# KiCad board All_Bloks_of_project.kicad_pcb (continued)
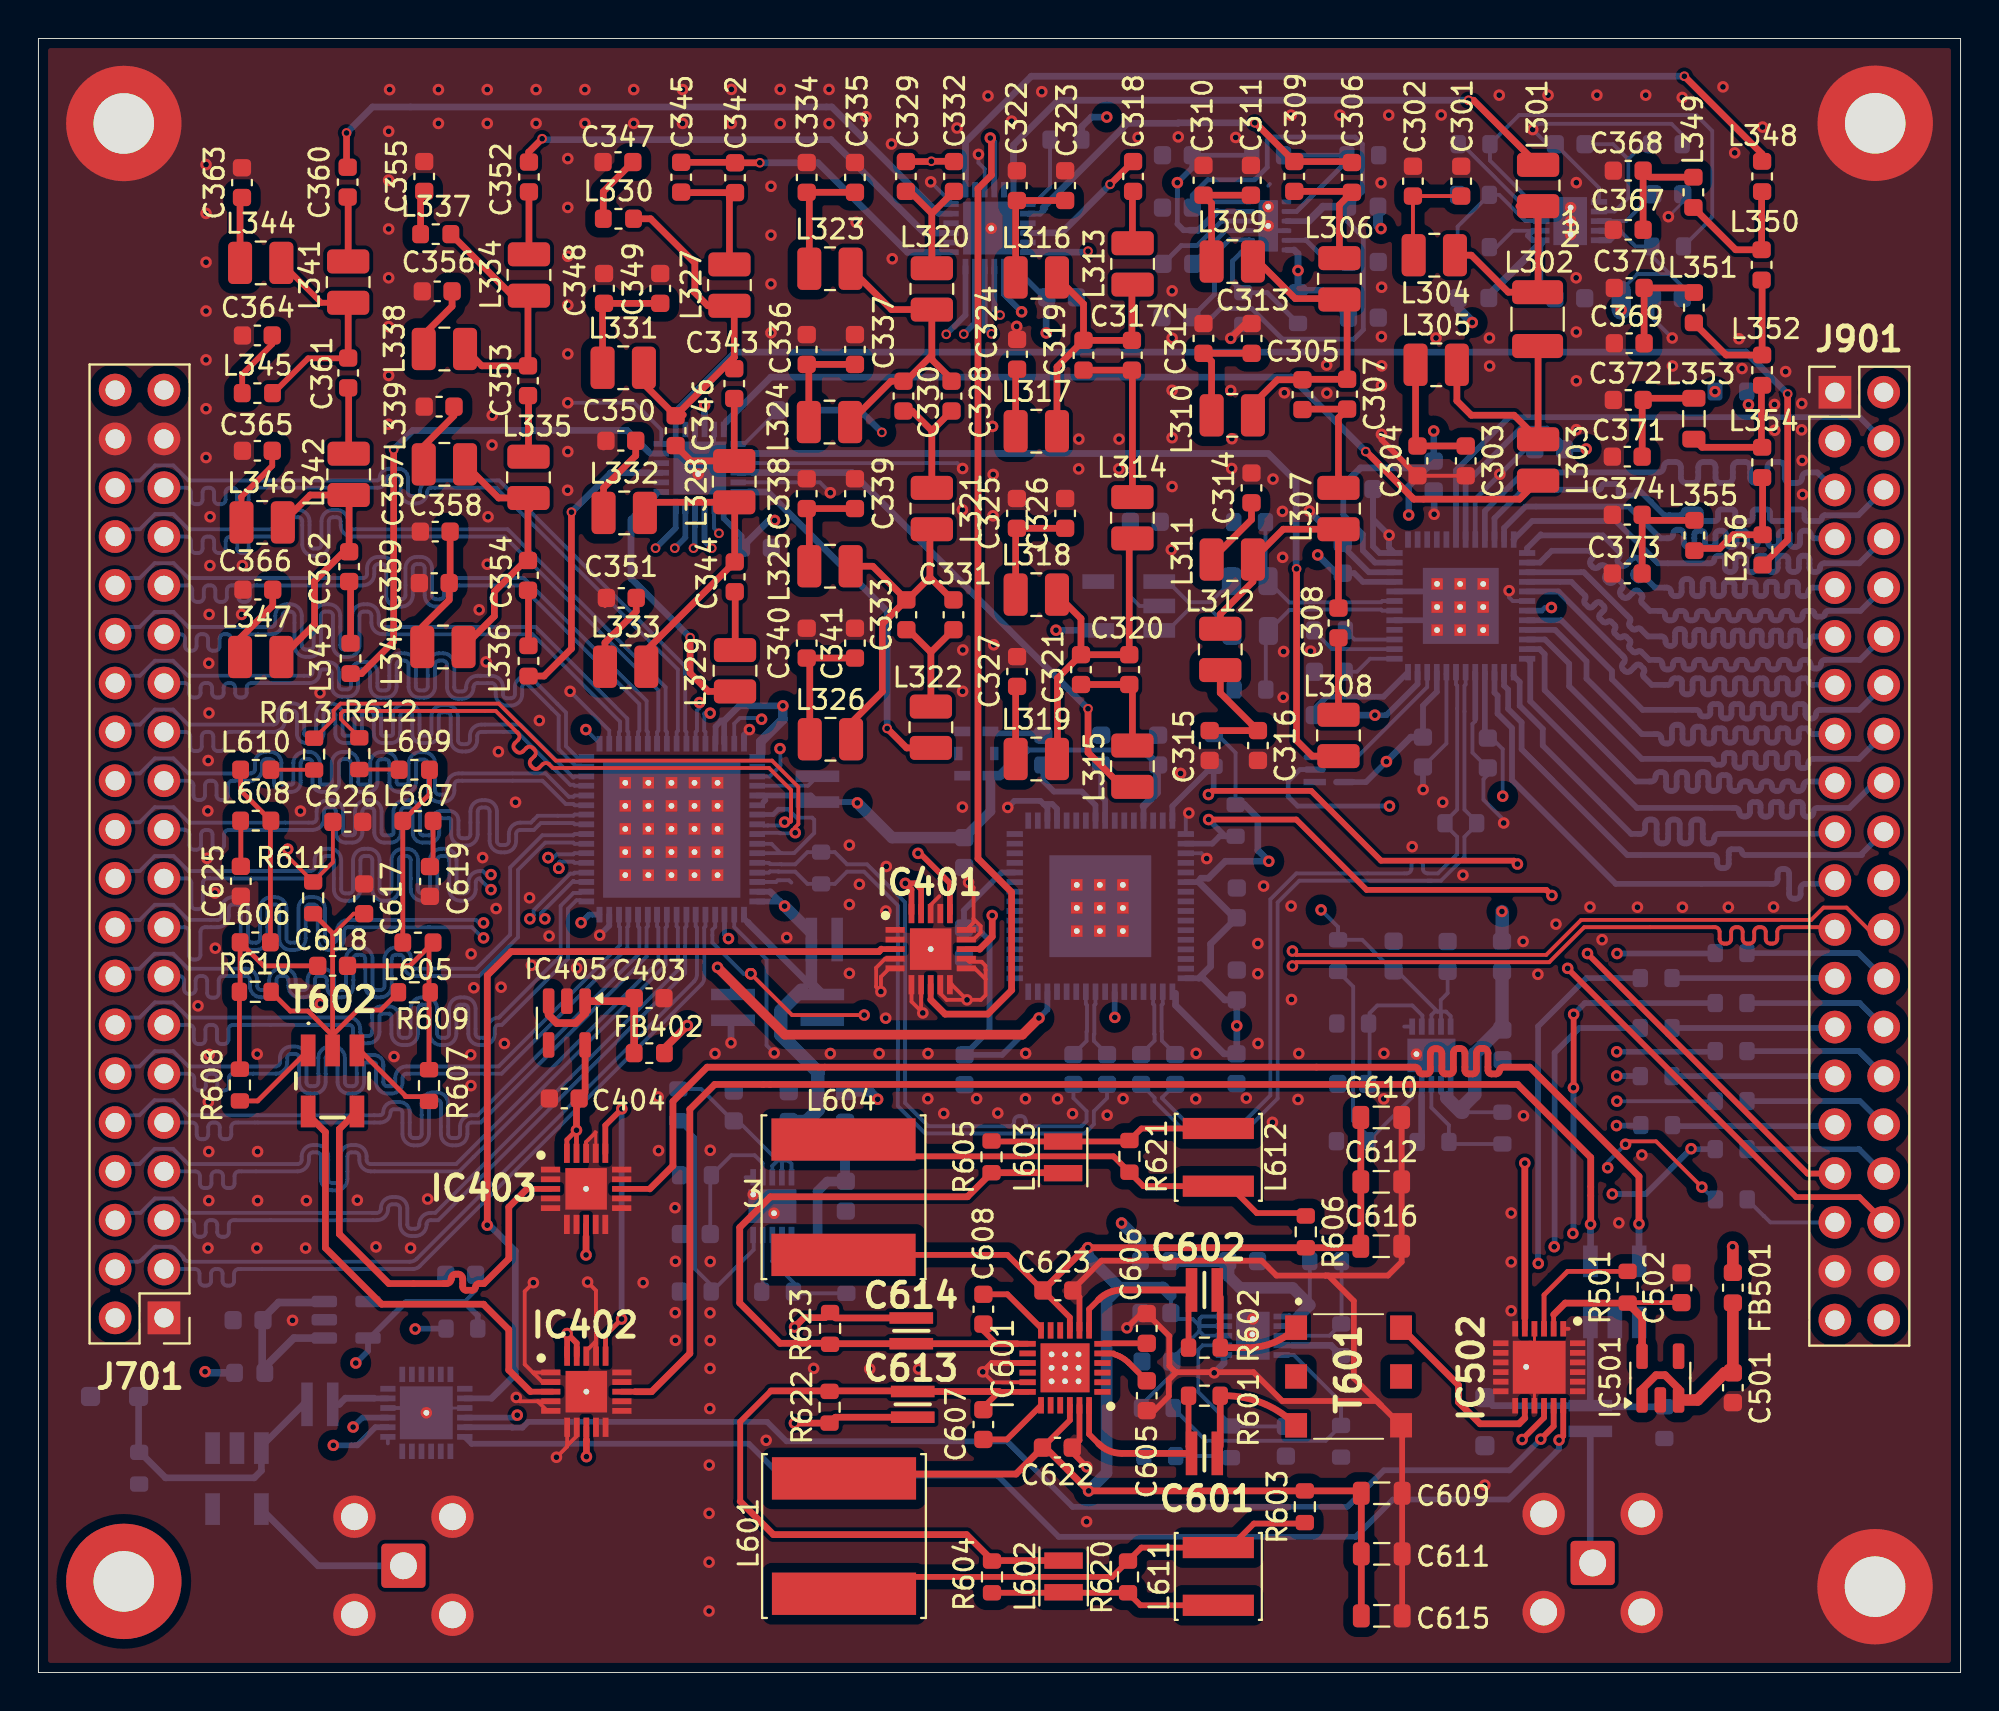
[diagram p0: board, top side]
## Routing (per net, layer and track width the routed paths; a pad name or vN(x,y) marks a point on that pad's centre or on a via; arc(x,y) is an arc through that point) (continued)
/DAC_3_N: length 3.6
  Bottom w0.2: C820.1 59.14,32.17 58.45,32.87 58.45,33.34 58.43,33.35 58.43,34.72 58.49,34.78 IC801.34
/DAC_3_P: length 3.6
  Bottom w0.2: C819.1 57.37,32.17 58.07,32.87 58.07,33.19 58.05,33.21 58.05,34.72 57.99,34.78 IC801.35
/DAC_CLK_N: length 39.7
  Bottom w0.2: C820.2 58.45,29.9 58.45,29.88 59.95,28.38 62.45,28.38 64.09,30.02 64.09,40.22 65.44,41.57 71.19,41.57 arc(71.36,41.64) 71.43,41.81 71.43,41.97 arc(71.5,42.14) 71.67,42.21 71.79,42.21 arc(71.96,42.14) 72.03,41.97 72.03,41.81 arc(72.1,41.64) 72.27,41.57 72.81,41.57 73.81,42.57 73.81,43.47 73.17,44.1 R919.2 73.17,44.25 73.81,44.89 73.81,50.14 73.81,50.14 73.81,51.34 73.75,51.4 IC901.7
/DAC_CLK_P: length 40.4
  Bottom w0.2: C819.2 58.07,29.9 58.07,29.72 59.79,28 62.61,28 64.47,29.86 64.47,40.06 65.6,41.19 72.51,41.19 ; 72.27,41.19 72.97,41.19 74.19,42.41 74.19,43.47 74.83,44.1 R919.1 74.83,44.25 74.19,44.89 74.19,49.99 74.19,49.99 74.19,51.34 74.25,51.4 IC901.6
/DAC_OUT_N: length 10.2
  Bottom w0.2: IC901.18 69.91,55.24 69.85,55.3 65.96,55.3 65.94,55.27 65.08,55.27 C916.1 63.86,54.04 R903.2
/DAC_OUT_P: length 10.2
  Bottom w0.2: IC901.19 69.91,55.74 69.85,55.68 65.81,55.68 65.79,55.65 65.08,55.65 C917.1 63.83,56.9 R904.1
/DAC_T_N: length 4.7
  Bottom w0.2: T901.1 58.76,54.21 59.84,55.29 60.02,55.29 60.02,55.29 60.98,55.29 C916.2
/DAC_T_P: length 4.7
  Bottom w0.2: C917.2 60.98,55.67 59.88,55.67 59.87,55.67 59.84,55.67 58.76,56.75 T901.3
/DITH: length 61
  Top w0.2: v1(37.06,36.35) 39.21,34.2 v1(42.96,34.2) ; v1(82.57,27.48) 82.72,27.63 84.16,27.63 v1(86.54,25.25)
  In2.Cu w0.2: v1(42.96,34.2) 51.4,25.76 81.14,25.76 v1(81.64,26.26)
  Bottom w0.2: v1(82.57,27.48) 81.64,26.55 v1(81.64,26.26) ; v1(86.54,25.25) 87.18,24.61 R921.1 ; IC701.20 35.21,38.79 35.06,38.64 35.06,37.97 36.68,36.35 v1(37.06,36.35)
/DSA_DATA: length 93.4
  Top w0.3: IC502.18 79.33,12.31 v1(79.11,12.09) ; v1(79.86,30.42) 79.87,30.43 v1(79.87,34.24)
  In2.Cu w0.22: v1(79.83,22.84) 79.83,12.81
  In2.Cu w0.3: 79.83,12.81 v1(79.11,12.09)
  Bottom w0.3: IC104.18 22.54,11.9 36.96,11.9 38.62,10.24 49.9,10.24 53.08,7.06 68.53,7.06 70.47,9 76.48,9 79.11,11.63 v1(79.11,12.09) ; v1(79.87,34.24) 80.45,34.82 R911.2 ; v1(79.86,30.42) 79.86,22.87 v1(79.83,22.84)
/DSA_LE1: length 95.6
  In2.Cu w0.22: v1(82.13,37.4) 82.75,37.4 84.08,36.07 84.08,15.5 79.99,11.41 33.52,11.41 30.81,8.7 28.37,8.7 26.05,11.02 26.04,11.02 26.01,11.05 26.01,12.29 v1(24.91,13.39)
  Bottom w0.3: v1(82.13,37.4) 87.21,37.4 R913.2 ; v1(24.91,13.39) 24.78,13.26 IC104.16
/DSA_LE2: length 30.4
  Top w0.3: v1(77.19,12.12) 78.33,13.26 IC502.16
  In2.Cu w0.22: v1(78.03,21.28) 78.03,12.96
  In2.Cu w0.3: 78.03,12.96 v1(77.19,12.12)
  Bottom w0.3: R912.1 80.54,36.12 78.02,33.61 78.02,21.29 v1(78.03,21.28)
/DSA_SCLK: length 86.8
  Top w0.3: IC502.17 78.83,12.81 v1(78.16,12.14)
  In2.Cu w0.22: v1(78.86,22.15) 78.86,12.84
  In2.Cu w0.3: 78.86,12.84 v1(78.16,12.14)
  Bottom w0.3: IC104.17 24.62,12.76 24.64,12.74 25.18,12.74 25.48,13.04 37.91,13.04 38.92,12.03 50.39,12.03 53.8,8.62 68.1,8.62 70,10.52 76.54,10.52 v1(78.16,12.14) ; R910.1 80.17,33.52 78.88,32.24 78.88,22.17 v1(78.86,22.15)
/FLT_V1: length 91.1
  In2.Cu w0.22: v1(82.11,32.29) 80.22,32.29 79.35,33.16 79.35,33.9 54.77,58.48 v2(35.03,58.48) 34.66,58.86 34.66,59.96 40.61,65.92 47.03,65.92 50.23,69.12 50.23,70.41 v2(50.03,70.61)
  Bottom w0.2: 87.2,32.29 R914.2
  Bottom w0.3: v2(50.03,70.61) 49.73,70.91 IC201.9 ; v1(82.11,32.29) 87.2,32.29 ; v2(35.03,58.48) 34.66,58.86 IC202.9
/FLT_V2: length 89.2
  In2.Cu w0.22: v1(82.11,31.03) 79.67,31.03 78.59,32.11 78.59,33.41 54.42,57.58 34.68,57.58 34.08,58.18 v2(34.08,58.48) 34.08,61.23 40.24,67.39 47.33,67.39 v2(49.58,69.63)
  Bottom w0.2: 34.15,58.55 v2(34.08,58.48) ; 34.16,59.58 34.15,59.58 ; 83.33,31.03 R918.1
  Bottom w0.28: 34.15,59.58 34.15,58.55
  Bottom w0.3: IC202.10 34.16,59.58 ; v2(49.58,69.63) 49.23,69.98 IC201.10 ; v1(82.11,31.03) 83.33,31.03
/FLT_V3: length 95.8
  In2.Cu w0.22: v1(82.12,29.72) 78.77,29.72 77.7,30.79 77.7,33.08 54.09,56.69 34.22,56.69 33.11,57.8 v2(33.11,58.48) 33.11,62.23 34.55,63.68 34.87,63.68 40.06,68.87 47.39,68.87 v2(48.14,69.62)
  Bottom w0.2: R915.2 87.23,29.72 v1(82.12,29.72)
  Bottom w0.3: v2(48.14,69.62) 48.73,70.21 IC201.11 ; v2(33.11,58.48) 33.66,59.03 IC202.11
/FLT_V4: length 94.8
  In2.Cu w0.22: v2(47.23,69.61) 46.65,70.19 39.9,70.19 32.11,62.39 v2(32.11,58.48) 32.11,57.32 33.59,55.84 53.64,55.84 76.64,32.84 76.64,30.48 78.67,28.45 v1(82.1,28.45)
  Bottom w0.2: 83.34,28.45 R917.1
  Bottom w0.3: IC202.12 33.16,59.53 v2(32.11,58.48) ; IC201.12 48.23,70.61 v2(47.23,69.61) ; v1(82.1,28.45) 83.34,28.45
/I2C_SCL: length 51.5
  Top w0.3: v1(79.56,36.63) 79.56,36.62 91.45,24.73 94.74,24.73 96,23.47 J901.36 ; v1(60.87,45.67) 61.06,45.86 66.22,45.86 69.85,42.23 76.77,42.23 v1(76.95,42.05)
  In2.Cu w0.22: v1(76.95,42.05) 77.57,41.43 77.57,38.73 79.56,36.74 v1(79.56,36.63)
  Bottom w0.3: v1(60.87,45.67) 61.14,45.94 R801.1 61.07,47.14 58.99,45.07 IC801.16 59,44.32
/I2C_SDA: length 45.4
  Top w0.3: J901.33 92.03,25.96 v1(80.59,37.4) ; v1(60.88,44.37) 65.44,44.37 69.1,40.71 78.45,40.71 v1(78.74,40.42)
  In2.Cu w0.22: v1(80.59,37.4) 80.59,38.53 78.74,40.38 v1(78.74,40.42)
  Bottom w0.3: IC801.18 61.07,43.12 61.45,43.5 R802.1 61.75,43.5 v1(60.88,44.37)
/MASTER_LPF_IN: length 47.4
  Top w0.35: v2(85.63,83.03) 89.68,78.99 L348.1
  Bottom w0.3: IC201.19 48.23,77.69
  Bottom w0.35: 48.23,77.69 48.23,79.61 51.66,83.03 v2(85.63,83.03)
/MASTER_LPF_OUT: length 69.9
  Top w0.35: L356.2 91.01,58.91 v2(91.01,66.51)
  Bottom w0.3: 33.15,65.46 33.15,65.02
  Bottom w0.35: v2(91.01,66.51) 88.83,68.68 36.26,68.68 33.16,65.58
/RAND: length 97.7
  In2.Cu w0.2: v1(37.62,49.59) 37.56,49.65 35.82,49.65 35.01,48.84 34.34,48.84 29.86,53.32 29.86,64.83 43.87,78.84 45.32,78.84 49.31,82.83 70.29,82.83 79.97,73.15 82.13,73.15 84.15,71.13 84.15,67.66 85.18,66.63 v1(87.23,66.63)
  Bottom w0.2: v1(37.62,49.59) 37.56,49.65 36.49,49.65 36.2,49.36 IC701.63
/RF_F1_S1: length 10.6
  Top w0.35: 77.02,76.28 L301.2 78.02,71.83 L302.1 76.47,71.8 74.55,73.73 L304.2
/RF_F1_S2: length 11.8
  Top w0.35: L305.2 73.8,66.15 74.55,65.4 76.77,65.4 L303.1 78.02,68.98 L302.2
/RF_F2_S1: length 6.6
  Top w0.35: L306.1 67.69,76.35 C306.2 ; C309.2 68.29,77.05
/RF_F2_S2: length 16.9
  Top w0.35: 68.09,71.2 67.76,71.52 ; 63.19,66.15 L310.2 63.19,65.97 64.46,67.25 C305.1 65.79,67.27 C307.1 68.09,71.02 L306.2 67.64,71.47 65.39,71.47 63.46,73.4 L309.2
/RF_F2_S3: length 6.6
  Top w0.35: C305.2 65.79,65.72 C307.2 67.64,65.27 L307.1
/RF_F2_S4: length 13.6
  Top w0.35: L311.2 63.19,56.75 61.49,55.05 L312.2 ; L311.2 63.24,57.85 ; L311.2 64.76,59.47 L307.2 C308.1
/RF_F2_S5: length 4
  Top w0.35: L308.1 C308.2
/RF_F3_S1: length 2.7
  Top w0.35: L313.1 56.92,74.36 56.92,77.01 C318.2
/RF_F3_S2: length 14.6
  Top w0.35: L317.2 52.99,67.91 C319.1 ; L316.2 54.37,71.19 C319.1 ; C319.1 C317.1 56.89,72.16 L313.2
/RF_F3_S3: length 9.1
  Top w0.35: C319.2 C317.2 56.92,67.72 L314.1
/RF_F3_S4: length 18.2
  Top w0.35: L318.2 54.24,54.82 C321.1 ; C321.1 53.02,51.72 53.02,47.54 L319.2 ; C321.1 C320.1 56.75,58.83 L314.2
/RF_F3_S5: length 5.8
  Top w0.35: C321.2 C320.2 56.92,51.23 L315.1
/RF_F4_S1: length 6.3
  Top w0.35: L320.1 46.48,75.9 ; 46.48,75.9 45.33,77.05 C329.2 ; 46.48,75.9 C332.2
/RF_F4_S2: length 15
  Top w0.35: 46.48,68.52 45.13,67.17 C330.1 44.35,67.17 L324.2 ; 46.48,68.52 L320.2 44.38,70.9 L323.2 ; 46.48,68.52 46.48,68.35 46.45,68.32 47.5,67.27 C328.1
/RF_F4_S3: length 6.3
  Top w0.35: 46.48,64.6 45.45,65.62 C330.2 ; 46.48,64.6 C328.2 ; 46.48,64.6 L321.1
/RF_F4_S4: length 18
  Top w0.35: 46.38,56.97 47.55,55.8 C331.1 ; 46.38,56.97 45.2,55.8 C333.1 ; 46.38,56.97 46.38,59.37 L321.2 ; C333.1 43.4,57.55 L325.2 ; C333.1 43.93,54.57 43.9,54.57 43.9,51.02 42.28,49.4 L326.2
/RF_F4_S5: length 6.2
  Top w0.35: 46.43,53.07 45.25,54.25 C333.2 ; 46.43,53.07 C331.2 ; 46.43,53.07 L322.1
/RF_F5_S1: length 6.7
  Top w0.35: L327.1 35.95,76.69 C342.2 33.46,76.98 C345.2
/RF_F5_S2: length 18.8
  Top w0.35: L331.2 31.5,67.02 C346.1 36.19,68.41 36.2,68.41 ; L330.2 31.85,75.62 34.15,73.32 34.15,71.87 34.1,71.82 34.82,71.1 L327.2 36.2,70.85 36.2,68.42 35.77,68 ; 33.55,65.42 33.5,65.37
/RF_F5_S3: length 6.6
  Top w0.35: C343.2 L328.1 33.95,63.02 C346.2
/RF_F5_S4: length 15.3
  Top w0.35: L332.2 32.1,60.87 L328.2 36.22,60.85 C344.1 31.62,53.17 L333.2
/RF_F5_S5: length 3.1
  Top w0.35: L329.1 36.25,53.19 36.25,56.2 C344.2
/RF_F6_S1: length 3.2
  Top w0.35: L334.1 C352.2
/RF_F6_S2: length 12.7
  Top w0.35: L338.2 23.07,67.97 C353.1 25.47,71.57 L334.2 24.66,71.62 L337.2
/RF_F6_S3: length 3.2
  Top w0.35: C353.2 25.49,66.4 L335.1
/RF_F6_S4: length 13.4
  Top w0.35: L340.2 23.72,54.95 23.72,56.22 25.34,57.85 C354.1 25.47,61.07 L335.2 23.94,61.1 L339.2 ; 25.59,60.55 25.52,60.62
/RF_F6_S5: length 2.9
  Top w0.35: L336.1 25.49,56.27 C354.2
/RF_F7_S1: length 3.3
  Top w0.35: L341.1 16.11,76.73
/RF_F7_S2: length 11.9
  Top w0.3: L345.2 12.22,66.55 14.03,68.36 16.1,68.36 ; L344.2 14.71,71.25 L341.2
  Top w0.35: C361.1 L341.2
/RF_F7_S3: length 3.4
  Top w0.35: L342.1 16.14,66.8
/RF_F7_S4: length 13.8
  Top w0.35: L346.2 14.14,61.25 L342.2 ; C362.1 16.16,61.23 ; L347.2 12.66,52.83 14.36,54.53 14.36,56.78 15.89,58.3
/RF_F7_S5: length 3.1
  Top w0.35: L343.1 16.24,56.68
/RF_FILTR_IN_1: length 32
  Top w0.35: L301.1 74.66,81.78 v2(74.41,81.78)
  Bottom w0.3: IC201.24 50.73,77.69
  Bottom w0.35: v2(74.41,81.78) 53.05,81.78 50.73,79.46 50.73,77.69
/RF_FILTR_IN_2: length 19.8
  Top w0.35: 68.29,78.6 C309.1 63.32,80.61 v2(63.28,80.61)
  Bottom w0.3: 52.39,76.17 52.11,75.88 IC201.2
  Bottom w0.35: 52.27,76.05 52.27,76.2 56.66,80.58 59.28,80.58 59.3,80.61 v2(63.28,80.61)
/RF_FILTR_IN_3: length 7
  Top w0.2: v2(55.76,77.41) 55.76,77.41
  Top w0.35: 55.76,77.41 C318.1
  Bottom w0.3: 52.05,74.89 52.05,74.88 IC201.4
  Bottom w0.35: v2(55.76,77.41) 53.23,74.89 52.05,74.89
/RF_FILTR_IN_4: length 15.7
  Top w0.35: C332.1 47.62,78.61 v2(46.45,78.61) 46.44,78.6 C329.1
  In2.Cu w0.22: v2(54.61,73.93) 54.58,73.93 53.95,74.56 51,74.56 46.95,78.61 v2(46.45,78.61)
  Bottom w0.3: IC201.6 52.04,73.88
  Bottom w0.35: 52.04,73.88 54.55,73.88 v2(54.61,73.93)
/RF_FILTR_IN_5: length 16
  Top w0.2: 36.24,78.53 C342.1
  Top w0.35: C345.1 36.21,78.56 C342.1 ; v2(37.53,78.53) 36.24,78.53
  Bottom w0.3: IC201.13 46.92,73.88 46.91,73.88
  Bottom w0.35: 46.91,73.88 45.21,73.88 40.55,78.53 v2(37.53,78.53)
/RF_FILTR_IN_6: length 24.8
  Top w0.2: 25.51,78.59 C352.1
  Top w0.35: v2(26.2,79.78) 25.51,79.08 25.51,78.59
  Bottom w0.3: IC201.15 46.92,74.88 46.91,74.88
  Bottom w0.35: v2(26.2,79.78) 26.26,79.73 41.23,79.73 46.08,74.88 46.91,74.88
/RF_FILTR_IN_7: length 36.1
  Top w0.2: 16.03,78.36 C360.1
  Top w0.35: v2(16.03,80.08) 16.03,78.36
  Bottom w0.3: 46.78,75.93 46.83,75.88 IC201.17
  Bottom w0.35: v2(16.03,80.08) 17.38,81.43 41.28,81.43 46.78,75.93
/RF_FILTR_OUT_1: length 46.7
  Top w0.35: v2(69.05,63.51) 69.08,63.51 71.55,61.03 77.05,61.03 L303.2
  Bottom w0.3: 35.81,65.07 35.66,64.91 IC202.24
  Bottom w0.35: v2(69.05,63.51) 65.18,67.38 38.11,67.38 35.81,65.09 35.81,65.07
/RF_FILTR_OUT_2: length 45.6
  Top w0.35: v2(65.45,57.41) 65.45,48.48 66.27,47.67 L308.2
  Bottom w0.3: IC202.2 37.09,63.41
  Bottom w0.35: v2(65.45,57.41) 65.43,57.43 65.43,61.96 63.98,63.41 37.09,63.41
/RF_FILTR_OUT_3: length 28.6
  Top w0.35: v2(54.61,50.13) 54.61,47.86 56.39,46.07 L315.2
  Bottom w0.3: IC202.4 37.16,62.41
  Bottom w0.35: v2(54.61,50.13) 42.32,62.42 37.17,62.42 37.16,62.41
/RF_FILTR_OUT_4: length 19.1
  Top w0.35: L322.2 45.17,48.1 v2(44.16,49.11)
  Bottom w0.3: IC202.6 36.95,61.41
  Bottom w0.35: v2(44.16,49.11) 44.16,55.2 37.95,61.41 36.95,61.41
/RF_FILTR_OUT_5: length 14.2
  Top w0.35: v2(33.91,53.83) 33.91,51.98 34.86,51.03 L329.2
  Bottom w0.3: 32.09,61.24 32.26,61.41 IC202.13
  Bottom w0.35: 32.09,61.24 30.83,59.98 30.83,56.91 v2(33.91,53.83)
/RF_FILTR_OUT_6: length 15.5
  Top w0.35: v2(27.73,60.36) 27.73,53.26 26.3,51.83 L336.2
  Bottom w0.3: 32.44,62.41 31.72,62.41
  Bottom w0.35: v2(27.73,60.36) 29.78,62.41 31.76,62.41
/RF_FILTR_OUT_7: length 27.7
  Top w0.35: v2(18.48,63.61) 18.48,53.63 16.81,51.96 L343.2
  Bottom w0.3: IC202.17 31.82,63.41 31.71,63.52
  Bottom w0.35: 31.71,63.52 30.62,64.61 19.48,64.61 v2(18.48,63.61)
/RF_M_S1: length 7.5
  Top w0.35: L348.2 89.65,77.01 L350.1 88.3,74.01 L349.1
/RF_M_S2: length 8.2
  Top w0.35: L350.2 89.68,72.41 L352.1 87.8,68.53 L351.1
/RF_M_S3: length 7
  Top w0.35: L353.1 86.55,63.73 L354.1 ; 89.64,63.71 89.64,66.93
/RF_M_S4: length 6.9
  Top w0.35: L354.2 89.7,62.13 L356.1 88.17,59.18 87.46,58.47 86.26,58.47 L355.1
/RF_TX_OUT: length 7.1
  Bottom w0.35: C913.2 80.74,5.47
/RF_TX_T1: length 13.9
  Bottom w0.35: C913.1 80.74,18.21 T902.1 ; C913.1 80.8,13.82 R902.1 ; C913.1 75.66,13.89 TVS901.2
/RX_ATT_IN: length 3
  Bottom w0.3: 17.46,14.27 17.47,14.26 IC104.5
  Bottom w0.35: 17.46,14.27 15.97,14.27 15.65,13.95 C101.2
/RX_LNA_IN_N: length 7.3
  Top w0.2: 61.48,19.53 arc(61.44,19.73) C602.1
  Top w0.35: 61.48,19.53 R602.1 62.92,16.9 arc(64.28,17.17) T601.1
/RX_LNA_IN_P: length 7.8
  Top w0.2: 61.33,14.03 arc(61.37,14.23) R601.1 ; 61.48,11.77 arc(61.44,11.57) C601.1
  Top w0.35: 61.48,11.77 R601.1 61.71,14.4 arc(63.72,14) T601.3
/RX_LNA_OUT_N: length 39.1
  Top w0.2: 53.29,26 L603.1 ; 51.45,17.1 IC601.13
  Top w0.3: 41.14,17.12 R623.2 ; 49.84,17.1 49.16,17.78 C608.2 ; 50.91,17.1 51.45,17.1
  Top w0.35: R623.2 41.22,17.1 C614.1 50.91,17.1 ; 53.29,26 R605.1 48.34,24.75 38.09,24.75 36.49,23.15 36.49,19.22 38.59,17.12 41.14,17.12
/RX_LNA_OUT_P: length 39.2
  Top w0.2: 45.46,14.65 C613.1 ; 50.01,14.6 49.99,14.62
  Top w0.3: 49.99,14.62 49.16,13.79 C607.2 ; 49.64,5.82 R604.1 49.61,5.85 ; 41.14,14.65 R622.2 ; 38.11,14.65 36.51,13.05 36.51,8.9 ; IC601.18 50.01,14.6
  Top w0.35: C613.1 49.99,14.62 ; 45.46,14.65 41.19,14.65 R622.2 ; L602.2 49.64,5.82 ; 36.51,8.9 38.23,7.17 48.29,7.17 49.61,5.85 ; 38.11,14.65 41.14,14.65
/RX_T: length 8.6
  Bottom w0.35: J101.1 14.55,5.55 T101.6
/RX_T_OUT: length 14.5
  Bottom w0.35: C101.1 13.79,13.95 11.69,11.85 11.69,11.76 T101.1 11.6,10.5 11.23,10.13 6.61,10.13 5.29,11.45 5.24,11.45 5.21,11.48 TVS101.2
/RX_TX_MODE: length 146.5
  Top w0.25: v1(45.76,42.61) 45.87,42.61 ; IC402.16 29.51,17.55 v1(30.34,18.39)
  Top w0.3: v1(30.35,29.32) 29.49,28.46 IC403.16 ; IC401.16 47.42,41.06 45.87,42.61
  In2.Cu w0.22: v1(70.29,45.07) 70.29,45.04 72.48,42.85 79.02,42.85 82.26,39.61 82.26,39.59 84.99,36.86 84.99,28.03 85.77,27.25 v1(85.98,27.25) ; v1(30.34,18.39) 32.25,16.48 50.52,16.48 58.93,24.89 v1(81.88,24.89)
  In2.Cu w0.25: v1(45.76,42.61) 45.72,42.57 43.06,42.57 39.4,38.91 36.63,38.91 v1(35.9,38.18) 36.5,38.18 37.71,36.97 37.71,32.66 36.62,31.57 32.6,31.57 v1(30.35,29.32)
  Bottom w0.25: 86.01,27.22 v1(85.98,27.25) ; v1(70.29,45.07) 65.51,45.07 65.02,45.56 65.02,46.36 65.63,46.97 U902.2 ; v1(35.9,38.18) 35.69,38.39 IC701.19 ; v1(30.35,29.32) 30.34,29.31
  Bottom w0.3: 30.34,29.31 v1(30.34,18.39) ; v1(81.88,24.89) 83.62,24.89 v1(85.98,27.25) ; R916.2 86.01,27.22
/TX_D0: length 27.9
  Bottom w0.3: J901.20 94.86,42.6 94.86,42.52 88.78,42.52 arc(88.67,42.57) 88.63,42.67 arc(88.59,42.78) 88.48,42.82 88.09,42.82 arc(87.98,42.78) 87.94,42.67 87.94,42.08 arc(87.87,41.91) 87.7,41.84 87.58,41.84 arc(87.41,41.91) 87.34,42.08 87.34,42.28 arc(87.27,42.45) 87.1,42.52 82.66,42.52 77.16,48.02 77.16,49.42 76.46,50.12 76.46,51.12 76.25,51.34 IC901.2 76.25,51.62
/TX_D1: length 27.6
  Bottom w0.3: J901.19 93.35,43.62 87.43,43.62 arc(87.26,43.55) 87.19,43.38 87.19,43.37 arc(87.12,43.2) 86.95,43.13 86.83,43.13 arc(86.66,43.2) 86.59,43.37 86.59,44.13 arc(86.52,44.3) 86.35,44.37 86.23,44.37 arc(86.06,44.3) 85.99,44.13 85.99,43.37 arc(85.92,43.2) 85.75,43.13 85.63,43.13 arc(85.46,43.2) 85.39,43.37 85.39,44.13 arc(85.32,44.3) 85.15,44.37 85.03,44.37 arc(84.86,44.3) 84.79,44.13 84.79,43.37 arc(84.72,43.2) 84.55,43.13 84.43,43.13 arc(84.26,43.2) 84.19,43.37 84.19,44.13 arc(84.12,44.3) 83.95,44.37 83.83,44.37 arc(83.66,44.3) 83.59,44.13 83.59,43.86 arc(83.52,43.7) 83.35,43.62 82.86,43.62 78.26,48.22 78.26,49.09 77.06,50.29 77.06,51.52 76.75,51.84 76.75,52.02
/TX_D2: length 27.6
  Bottom w0.3: IC901.48 77.61,52.57 77.61,50.52 83.16,44.97 88.27,44.97 arc(88.43,44.91) 88.49,44.75 88.49,44.75 arc(88.56,44.6) 88.71,44.53 88.82,44.53 arc(88.98,44.6) 89.04,44.75 89.04,45.12 arc(89.09,45.23) 89.19,45.27 89.44,45.27 arc(89.55,45.23) 89.59,45.12 89.59,44.74 arc(89.66,44.59) 89.81,44.52 89.92,44.52 arc(90.08,44.59) 90.14,44.74 90.14,45.12 arc(90.19,45.23) 90.29,45.27 90.54,45.27 arc(90.65,45.23) 90.69,45.12 90.69,44.74 arc(90.76,44.59) 90.91,44.52 91.02,44.52 arc(91.18,44.59) 91.24,44.74 91.24,45.12 arc(91.29,45.23) 91.39,45.27 91.64,45.27 arc(91.75,45.23) 91.79,45.12 91.79,44.74 arc(91.86,44.58) 92.01,44.52 92.12,44.52 arc(92.28,44.58) 92.34,44.74 92.34,44.75 arc(92.41,44.91) 92.56,44.97 94.21,44.97 95.51,46.28 J901.18
/TX_D3: length 27.5
  Bottom w0.3: IC901.47 78.1,53.24 78.36,52.97 78.36,51.1 83.11,46.35 83.91,46.35 arc(84.07,46.41) 84.13,46.57 84.13,46.61 arc(84.19,46.77) 84.35,46.83 84.46,46.83 arc(84.62,46.77) 84.68,46.61 84.68,46.09 arc(84.74,45.93) 84.9,45.87 85.01,45.87 arc(85.17,45.93) 85.23,46.09 85.23,46.61 arc(85.29,46.77) 85.45,46.83 85.56,46.83 arc(85.72,46.77) 85.78,46.61 85.78,46.09 arc(85.84,45.93) 86,45.87 86.11,45.87 arc(86.27,45.93) 86.33,46.09 86.33,46.61 arc(86.39,46.77) 86.55,46.83 86.66,46.83 arc(86.82,46.77) 86.88,46.61 86.88,46.09 arc(86.94,45.93) 87.1,45.87 87.21,45.87 arc(87.37,45.93) 87.43,46.09 87.43,46.51 arc(87.48,46.63) 87.59,46.68 87.82,46.68 arc(87.93,46.63) 87.98,46.51 87.98,46.09 arc(88.04,45.93) 88.2,45.87 88.31,45.87 arc(88.47,45.93) 88.53,46.09 88.53,46.13 arc(88.59,46.29) 88.75,46.35 88.86,46.35 arc(89.02,46.29) 89.08,46.13 89.08,46.09 arc(89.14,45.93) 89.3,45.87 89.41,45.87 arc(89.57,45.93) 89.63,46.09 89.63,46.13 arc(89.69,46.29) 89.85,46.35 89.96,46.35 arc(90.12,46.29) 90.18,46.13 90.18,46.09 arc(90.24,45.93) 90.4,45.87 90.51,45.87 arc(90.67,45.93) 90.73,46.09 90.73,46.13 arc(90.79,46.29) 90.95,46.35 91.06,46.35 arc(91.22,46.29) 91.28,46.13 91.28,46.09 arc(91.34,45.93) 91.5,45.87 91.61,45.87 arc(91.77,45.93) 91.83,46.09 91.83,46.13 arc(91.89,46.29) 92.05,46.35 93.39,46.35 J901.17
/TX_D4: length 27.5
  Bottom w0.3: J901.16 94.71,47.52 92.31,47.52 arc(92.15,47.46) 92.09,47.3 92.09,47.27 arc(92.02,47.11) 91.87,47.05 91.76,47.05 arc(91.6,47.11) 91.54,47.27 91.54,47.67 arc(91.49,47.78) 91.39,47.82 91.14,47.82 arc(91.03,47.78) 90.99,47.67 90.99,47.27 arc(90.92,47.12) 90.77,47.05 90.66,47.05 arc(90.5,47.12) 90.44,47.27 90.44,47.67 arc(90.39,47.78) 90.29,47.82 90.04,47.82 arc(89.93,47.78) 89.89,47.67 89.89,47.28 arc(89.82,47.12) 89.67,47.06 89.56,47.06 arc(89.4,47.12) 89.34,47.28 89.34,47.67 arc(89.29,47.78) 89.19,47.82 88.94,47.82 arc(88.83,47.78) 88.79,47.67 88.79,47.29 arc(88.72,47.13) 88.57,47.07 88.46,47.07 arc(88.3,47.13) 88.24,47.29 88.24,47.67 arc(88.19,47.78) 88.09,47.82 87.84,47.82 arc(87.73,47.78) 87.69,47.67 87.69,47.37 arc(87.64,47.27) 87.54,47.22 87.29,47.22 arc(87.18,47.27) 87.14,47.37 arc(87.09,47.48) 86.99,47.52 83.41,47.52 79.64,51.3 79.64,52.47 78.38,53.74 IC901.46
/TX_D5: length 27.5
  Bottom w0.3: IC901.45 78.9,54.24 80.54,52.6 80.54,51.7 83.42,48.82 84.21,48.82 arc(84.37,48.75) 84.43,48.6 84.43,48.55 arc(84.5,48.39) 84.65,48.33 84.76,48.33 arc(84.92,48.39) 84.98,48.55 84.98,49.08 arc(85.05,49.24) 85.2,49.3 85.31,49.3 arc(85.47,49.24) 85.53,49.08 85.53,48.55 arc(85.6,48.39) 85.75,48.33 85.86,48.33 arc(86.02,48.39) 86.08,48.55 86.08,49.01 arc(86.14,49.14) 86.28,49.2 86.44,49.2 arc(86.58,49.14) 86.63,49.01 86.63,48.55 arc(86.7,48.39) 86.85,48.33 86.96,48.33 arc(87.12,48.39) 87.18,48.55 87.18,48.97 arc(87.23,49.07) 87.33,49.12 87.58,49.12 arc(87.69,49.07) 87.73,48.97 87.73,48.59 arc(87.8,48.44) 87.95,48.37 88.06,48.37 arc(88.22,48.44) 88.28,48.59 88.28,48.97 arc(88.33,49.07) 88.43,49.12 88.68,49.12 arc(88.79,49.07) 88.83,48.97 88.83,48.59 arc(88.9,48.44) 89.05,48.37 89.16,48.37 arc(89.32,48.44) 89.38,48.59 89.38,48.97 arc(89.43,49.07) 89.53,49.12 89.78,49.12 arc(89.89,49.07) 89.93,48.97 89.93,48.59 arc(90,48.44) 90.15,48.37 90.26,48.37 arc(90.42,48.44) 90.48,48.59 90.48,48.97 arc(90.53,49.07) 90.63,49.12 90.88,49.12 arc(90.99,49.07) 91.03,48.97 91.03,48.59 arc(91.1,48.44) 91.25,48.37 91.36,48.37 arc(91.52,48.44) 91.58,48.59 91.58,48.97 arc(91.63,49.07) 91.73,49.12 91.98,49.12 arc(92.09,49.07) 92.13,48.97 arc(92.18,48.86) 92.28,48.82 J901.15
/TX_D6: length 27.5
  Bottom w0.3: J901.14 94.72,50.07 92.7,50.07 arc(92.55,50.01) 92.48,49.85 92.48,49.85 arc(92.42,49.69) 92.26,49.63 92.15,49.63 arc(92,49.69) 91.93,49.85 91.93,50.22 arc(91.89,50.33) 91.78,50.37 91.53,50.37 arc(91.43,50.33) 91.38,50.22 91.38,49.85 arc(91.32,49.69) 91.16,49.63 91.05,49.63 arc(90.9,49.69) 90.83,49.85 90.83,50.22 arc(90.79,50.33) 90.68,50.37 90.43,50.37 arc(90.33,50.33) 90.28,50.22 90.28,49.85 arc(90.22,49.69) 90.06,49.63 89.95,49.63 arc(89.8,49.69) 89.73,49.85 89.73,50.22 arc(89.69,50.33) 89.58,50.37 89.33,50.37 arc(89.23,50.33) 89.18,50.22 89.18,49.85 arc(89.12,49.69) 88.96,49.63 88.85,49.63 arc(88.7,49.69) 88.63,49.85 88.63,50.22 arc(88.59,50.33) 88.48,50.37 88.23,50.37 arc(88.13,50.33) 88.08,50.22 88.08,49.85 arc(88.02,49.69) 87.86,49.63 87.75,49.63 arc(87.6,49.69) 87.53,49.85 87.53,50.22 arc(87.49,50.33) 87.38,50.37 87.13,50.37 arc(87.03,50.33) 86.98,50.22 86.98,49.91 arc(86.93,49.79) 86.81,49.74 86.6,49.74 arc(86.48,49.79) 86.43,49.91 arc(86.38,50.03) 86.26,50.07 83.46,50.07 81.86,51.67 81.86,52.1 79.23,54.74 IC901.44
/TX_D7: length 27.5
  Bottom w0.3: J901.13 93.44,51.37 92.28,51.37 arc(92.16,51.42) 92.11,51.55 arc(92.06,51.67) 91.94,51.72 91.73,51.72 arc(91.61,51.67) 91.56,51.55 91.56,51.1 arc(91.49,50.95) 91.34,50.88 91.23,50.88 arc(91.07,50.95) 91.01,51.1 91.01,51.55 arc(90.96,51.67) 90.84,51.72 90.63,51.72 arc(90.51,51.67) 90.46,51.55 90.46,51.1 arc(90.39,50.95) 90.24,50.88 90.13,50.88 arc(89.97,50.95) 89.91,51.1 89.91,51.55 arc(89.86,51.67) 89.74,51.72 89.53,51.72 arc(89.41,51.67) 89.36,51.55 89.36,51.1 arc(89.29,50.95) 89.14,50.88 89.03,50.88 arc(88.87,50.95) 88.81,51.1 88.81,51.55 arc(88.76,51.67) 88.64,51.72 88.43,51.72 arc(88.31,51.67) 88.26,51.55 88.26,51.1 arc(88.19,50.95) 88.04,50.88 87.93,50.88 arc(87.77,50.95) 87.71,51.1 87.71,51.55 arc(87.66,51.67) 87.54,51.72 87.33,51.72 arc(87.21,51.67) 87.16,51.55 87.16,51.1 arc(87.09,50.95) 86.94,50.88 86.83,50.88 arc(86.67,50.95) 86.61,51.1 86.61,51.55 arc(86.56,51.67) 86.44,51.72 86.23,51.72 arc(86.11,51.67) 86.06,51.55 86.06,51.1 arc(85.99,50.95) 85.84,50.88 85.73,50.88 arc(85.57,50.95) 85.51,51.1 85.51,51.55 arc(85.46,51.67) 85.34,51.72 85.13,51.72 arc(85.01,51.67) 84.96,51.55 arc(84.91,51.42) 84.79,51.37 83.94,51.37 83.51,51.8 arc(83.47,51.91) 83.51,52.01 arc(83.56,52.12) 83.51,52.22 83.34,52.4 arc(83.23,52.44) 83.12,52.4 82.83,52.11 arc(82.67,52.04) 82.52,52.11 82.44,52.18 arc(82.38,52.34) 82.44,52.49 82.47,52.53 arc(82.54,52.68) 82.47,52.84 79.08,56.24 IC901.41
/TX_D8: length 27.5
  Bottom w0.3: J901.12 95.98,53.9 94.76,52.67 92.96,52.67 arc(92.8,52.61) 92.74,52.45 92.74,52.45 arc(92.67,52.29) 92.52,52.23 92.41,52.23 arc(92.25,52.29) 92.19,52.45 92.19,52.45 arc(92.12,52.61) 91.97,52.67 91.86,52.67 arc(91.7,52.61) 91.64,52.45 91.64,52.4 arc(91.57,52.24) 91.42,52.18 91.31,52.18 arc(91.15,52.24) 91.09,52.4 91.09,52.45 arc(91.02,52.61) 90.87,52.67 90.76,52.67 arc(90.6,52.61) 90.54,52.45 90.54,52.4 arc(90.47,52.24) 90.32,52.18 90.21,52.18 arc(90.05,52.24) 89.99,52.4 89.99,52.45 arc(89.92,52.61) 89.77,52.67 89.66,52.67 arc(89.5,52.61) 89.44,52.45 89.44,52.4 arc(89.37,52.24) 89.22,52.18 89.11,52.18 arc(88.95,52.24) 88.89,52.4 88.89,52.45 arc(88.82,52.61) 88.67,52.67 88.56,52.67 arc(88.4,52.61) 88.34,52.45 88.34,52.4 arc(88.27,52.24) 88.12,52.18 88.01,52.18 arc(87.85,52.24) 87.79,52.4 87.79,52.45 arc(87.72,52.61) 87.57,52.67 87.46,52.67 arc(87.3,52.61) 87.24,52.45 87.24,52.4 arc(87.17,52.24) 87.02,52.18 86.91,52.18 arc(86.75,52.24) 86.69,52.4 86.69,52.45 arc(86.62,52.61) 86.47,52.67 86.36,52.67 arc(86.2,52.61) 86.14,52.45 86.14,52.4 arc(86.07,52.24) 85.92,52.18 85.81,52.18 arc(85.65,52.24) 85.59,52.4 85.59,52.45 arc(85.52,52.61) 85.37,52.67 85.26,52.67 arc(85.1,52.61) 85.04,52.45 85.04,52.4 arc(84.97,52.24) 84.82,52.18 84.71,52.18 arc(84.55,52.24) 84.49,52.4 84.49,52.45 arc(84.42,52.61) 84.27,52.67 83.81,52.67 83.39,53.1 arc(83.28,53.14) 83.18,53.1 arc(83.07,53.06) 82.96,53.1 82.79,53.28 arc(82.74,53.38) 82.79,53.49 arc(82.83,53.59) 82.79,53.7 82.61,53.88 arc(82.5,53.92) 82.4,53.88 arc(82.29,53.83) 82.19,53.88 82.01,54.05 arc(81.97,54.16) 82.01,54.27 arc(82.05,54.37) 82.01,54.48 81.83,54.65 arc(81.73,54.7) 81.62,54.65 arc(81.51,54.61) 81.41,54.65 81.23,54.83 arc(81.19,54.94) 81.23,55.04 81.44,55.26 arc(81.49,55.36) 81.44,55.47 81.27,55.64 arc(81.16,55.69) 81.06,55.64 80.84,55.43 arc(80.74,55.39) 80.63,55.43 80.45,55.61 arc(80.41,55.72) 80.45,55.82 arc(80.5,55.93) 80.45,56.03 79.75,56.74 IC901.40